# Altium PCB nRF52840-kit.PcbDoc (part 1 of 5) (continued)
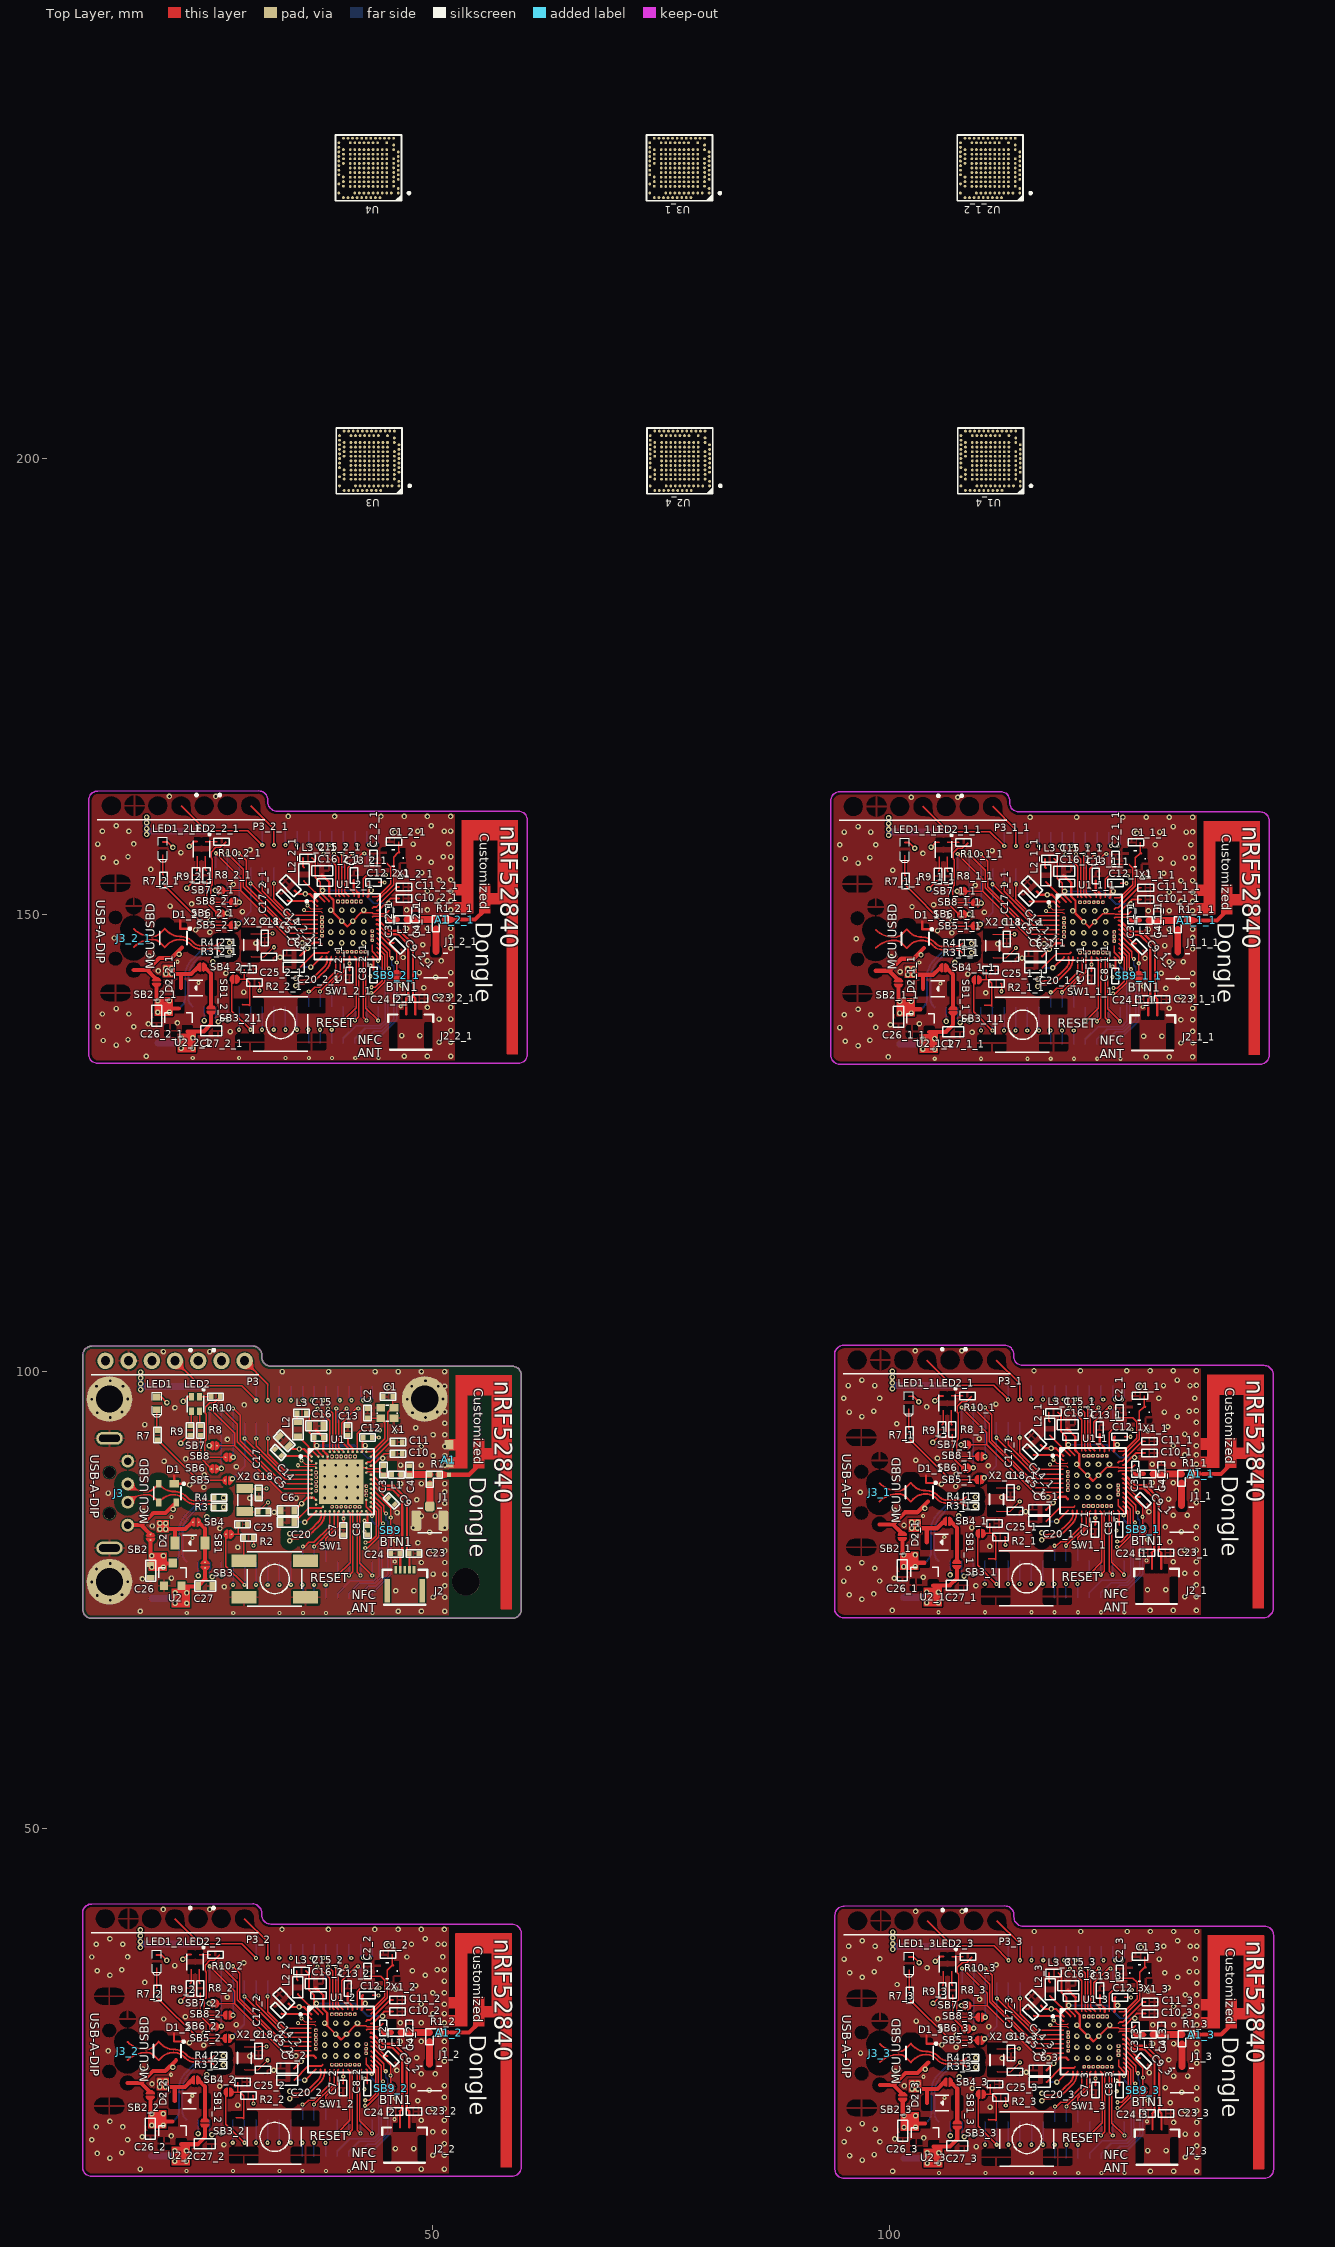
[diagram p0: Top Layer view]
## Components (designator, comment, footprint, x,y, rotation, side; value= is the part's Value field where it differs from the comment) (continued)
C12_2 "100nF" "0402 imperial"#2 42.831,31.764 r180 top (schematic designator C12)
C12_2_1 "100nF" "0402 imperial"#2 43.506,153.564 r180 top (schematic designator C12)
C12_3 "100nF" "0402 imperial"#2 125.166,31.539 r180 top (schematic designator C12)
C13 "N.C." "0402 imperial"#1 40.693,93.578 r270 top
C13_1 "N.C." "0402 imperial"#2 122.969,93.665 r270 top (schematic designator C13)
C13_1_1 "N.C." "0402 imperial"#2 122.544,154.24 r270 top (schematic designator C13)
C13_2 "N.C." "0402 imperial"#2 40.672,32.526 r270 top (schematic designator C13)
C13_2_1 "N.C." "0402 imperial"#2 41.347,154.326 r270 top (schematic designator C13)
C13_3 "N.C." "0402 imperial"#2 123.007,32.301 r270 top (schematic designator C13)
C14 "1µF" 0603_Imperial#1 33.708,92.435 r315 top
C14_1 "1µF" 0603_Imperial#2 115.984,92.522 r315 top (schematic designator C14)
C14_1_1 "1µF" 0603_Imperial#2 115.559,153.097 r315 top (schematic designator C14)
C14_2 "1µF" 0603_Imperial#2 33.687,31.383 r315 top (schematic designator C14)
C14_2_1 "1µF" 0603_Imperial#2 34.362,153.183 r315 top (schematic designator C14)
C14_3 "1µF" 0603_Imperial#2 116.022,31.158 r315 top (schematic designator C14)
C15 "1µF" 0603_Imperial#1 37.218,94.105 r180 top
C15_1 "1µF" 0603_Imperial#2 119.494,94.192 r180 top (schematic designator C15)
C15_1_1 "1µF" 0603_Imperial#2 119.069,154.767 r180 top (schematic designator C15)
C15_2 "1µF" 0603_Imperial#2 37.197,33.053 r180 top (schematic designator C15)
C15_2_1 "1µF" 0603_Imperial#2 37.872,154.853 r180 top (schematic designator C15)
C15_3 "1µF" 0603_Imperial#2 119.532,32.828 r180 top (schematic designator C15)
C16 "47nF" "0402 imperial"#1 37.518,92.816 r180 top
C16_1 "47nF" "0402 imperial"#2 119.794,92.903 r180 top (schematic designator C16)
C16_1_1 "47nF" "0402 imperial"#2 119.369,153.478 r180 top (schematic designator C16)
C16_2 "47nF" "0402 imperial"#2 37.497,31.764 r180 top (schematic designator C16)
C16_2_1 "47nF" "0402 imperial"#2 38.172,153.564 r180 top (schematic designator C16)
C16_3 "47nF" "0402 imperial"#2 119.832,31.539 r180 top (schematic designator C16)
C17 "12pF" "0402 imperial"#1 30.944,86.725 r90 top
C17_1 "12pF" "0402 imperial"#2 113.22,86.812 r90 top (schematic designator C17)
C17_1_1 "12pF" "0402 imperial"#2 112.795,147.387 r90 top (schematic designator C17)
C17_2 "12pF" "0402 imperial"#2 30.923,25.673 r90 top (schematic designator C17)
C17_2_1 "12pF" "0402 imperial"#2 31.598,147.473 r90 top (schematic designator C17)
C17_3 "12pF" "0402 imperial"#2 113.258,25.448 r90 top (schematic designator C17)
C18 "12pF" "0402 imperial"#1 31.402,84.668 r180 top
C18_1 "12pF" "0402 imperial"#2 113.678,84.755 r180 top (schematic designator C18)
C18_1_1 "12pF" "0402 imperial"#2 113.253,145.33 r180 top (schematic designator C18)
C18_2 "12pF" "0402 imperial"#2 31.381,23.616 r180 top (schematic designator C18)
C18_2_1 "12pF" "0402 imperial"#2 32.056,145.416 r180 top (schematic designator C18)
C18_3 "12pF" "0402 imperial"#2 113.716,23.391 r180 top (schematic designator C18)
C20 "4.7µF" 0603_Imperial#1 34.089,83.545 r0 top
C20_1 "4.7µF" 0603_Imperial#2 116.365,83.632 r0 top (schematic designator C20)
C20_1_1 "4.7µF" 0603_Imperial#2 115.94,144.207 r0 top (schematic designator C20)
C20_2 "4.7µF" 0603_Imperial#2 34.068,22.493 r0 top (schematic designator C20)
C20_2_1 "4.7µF" 0603_Imperial#2 34.743,144.293 r0 top (schematic designator C20)
C20_3 "4.7µF" 0603_Imperial#2 116.403,22.268 r0 top (schematic designator C20)
C21 "4.7µF" 0603_Imperial#1 34.394,83.545 r0 bottom
C21_1 "4.7µF" 0603_Imperial#2 116.67,83.632 r0 bottom (schematic designator C21)
C21_1_1 "4.7µF" 0603_Imperial#2 116.245,144.207 r0 bottom (schematic designator C21)
C21_2 "4.7µF" 0603_Imperial#2 34.373,22.493 r0 bottom (schematic designator C21)
C21_2_1 "4.7µF" 0603_Imperial#2 35.048,144.293 r0 bottom (schematic designator C21)
C21_3 "4.7µF" 0603_Imperial#3 116.708,22.268 r0 bottom (schematic designator C21)
C23 "300pF" "0402 imperial"#1 47.924,80.116 r0 top
C23_1 "300pF" "0402 imperial"#2 130.2,80.203 r0 top (schematic designator C23)
C23_1_1 "300pF" "0402 imperial"#2 129.775,140.778 r0 top (schematic designator C23)
C23_2 "300pF" "0402 imperial"#2 47.903,19.064 r0 top (schematic designator C23)
C23_2_1 "300pF" "0402 imperial"#2 48.578,140.864 r0 top (schematic designator C23)
C23_3 "300pF" "0402 imperial"#2 130.238,18.839 r0 top (schematic designator C23)
C24 "300pF" "0402 imperial"#1 45.892,80.116 r0 top
C24_1 "300pF" "0402 imperial"#2 128.168,80.203 r0 top (schematic designator C24)
C24_1_1 "300pF" "0402 imperial"#2 127.743,140.778 r0 top (schematic designator C24)
C24_2 "300pF" "0402 imperial"#2 45.871,19.064 r0 top (schematic designator C24)
C24_2_1 "300pF" "0402 imperial"#2 46.546,140.864 r0 top (schematic designator C24)
C24_3 "300pF" "0402 imperial"#2 128.206,18.839 r0 top (schematic designator C24)
C25 "100nF" "0402 imperial"#1 29.179,83.316 r180 top
C25_1 "100nF" "0402 imperial"#2 111.455,83.403 r180 top (schematic designator C25)
C25_1_1 "100nF" "0402 imperial"#2 111.03,143.978 r180 top (schematic designator C25)
C25_2 "100nF" "0402 imperial"#2 29.158,22.264 r180 top (schematic designator C25)
C25_2_1 "100nF" "0402 imperial"#2 29.833,144.064 r180 top (schematic designator C25)
C25_3 "100nF" "0402 imperial"#2 111.493,22.039 r180 top (schematic designator C25)
C26 "1µF" 0603_Imperial#1 19.095,78.211 r90 top
C26_1 "1µF" 0603_Imperial#2 101.371,78.298 r90 top (schematic designator C26)
C26_1_1 "1µF" 0603_Imperial#2 100.946,138.873 r90 top (schematic designator C26)
C26_2 "1µF" 0603_Imperial#2 19.074,17.159 r90 top (schematic designator C26)
C26_2_1 "1µF" 0603_Imperial#2 19.749,138.959 r90 top (schematic designator C26)
C26_3 "1µF" 0603_Imperial#2 101.409,16.934 r90 top (schematic designator C26)
C27 "1µF" 0603_Imperial#1 25.072,76.56 r180 top
C27_1 "1µF" 0603_Imperial#2 107.348,76.647 r180 top (schematic designator C27)
C27_1_1 "1µF" 0603_Imperial#2 106.923,137.222 r180 top (schematic designator C27)
C27_2 "1µF" 0603_Imperial#2 25.051,15.508 r180 top (schematic designator C27)
C27_2_1 "1µF" 0603_Imperial#2 25.726,137.308 r180 top (schematic designator C27)
C27_3 "1µF" 0603_Imperial#2 107.386,15.283 r180 top (schematic designator C27)
D1 "PRTR5V0U2X" SOT190P230X110-4L#1 20.939,86.729 r270 top
D1_1 "PRTR5V0U2X" SOT190P230X110-4L#2 103.215,86.816 r270 top (schematic designator D1)
D1_1_1 "PRTR5V0U2X" SOT190P230X110-4L#2 102.79,147.391 r270 top (schematic designator D1)
D1_2 "PRTR5V0U2X" SOT190P230X110-4L#2 20.918,25.677 r270 top (schematic designator D1)
D1_2_1 "PRTR5V0U2X" SOT190P230X110-4L#2 21.593,147.477 r270 top (schematic designator D1)
D1_3 "PRTR5V0U2X" SOT190P230X110-4L#2 103.253,25.452 r270 top (schematic designator D1)
D2 "DIODE S4" SOD-123#1 21.764,81.259 r0 top
D2_1 "DIODE S4" SOD-123#2 104.04,81.346 r0 top (schematic designator D2)
D2_1_1 "DIODE S4" SOD-123#2 103.615,141.921 r0 top (schematic designator D2)
D2_2 "DIODE S4" SOD-123#2 21.743,20.207 r0 top (schematic designator D2)
D2_2_1 "DIODE S4" SOD-123#2 22.418,142.007 r0 top (schematic designator D2)
D2_3 "DIODE S4" SOD-123#2 104.078,19.982 r0 top (schematic designator D2)
J1 "Ipex" HRS_U.FL-R-SMT#1 49.657,83.736 r180 top
J1_1 "Ipex" HRS_U.FL-R-SMT#2 131.933,83.823 r180 top (schematic designator J1)
J1_1_1 "Ipex" HRS_U.FL-R-SMT#2 131.508,144.398 r180 top (schematic designator J1)
J1_2 "Ipex" HRS_U.FL-R-SMT#2 49.636,22.684 r180 top (schematic designator J1)
J1_2_1 "Ipex" HRS_U.FL-R-SMT#2 50.311,144.484 r180 top (schematic designator J1)
J1_3 "Ipex" HRS_U.FL-R-SMT#2 131.971,22.459 r180 top (schematic designator J1)
J2 "FPC 0.5mm RA SMD" FPC_05P-0.5mm-RA-SMD#1 46.921,74.602 r0 top
J2_1 "FPC 0.5mm RA SMD" FPC_05P-0.5mm-RA-SMD#2 129.197,74.689 r0 top (schematic designator J2)
J2_1_1 "FPC 0.5mm RA SMD" FPC_05P-0.5mm-RA-SMD#2 128.772,135.264 r0 top (schematic designator J2)
J2_2 "FPC 0.5mm RA SMD" FPC_05P-0.5mm-RA-SMD#2 46.9,13.55 r0 top (schematic designator J2)
J2_2_1 "FPC 0.5mm RA SMD" FPC_05P-0.5mm-RA-SMD#2 47.575,135.35 r0 top (schematic designator J2)
J2_3 "FPC 0.5mm RA SMD" FPC_05P-0.5mm-RA-SMD#2 129.235,13.325 r0 top (schematic designator J2)
J3 "USB-A-Male" USB-A-DIP#1 16.6,86.72 r270 top locked
J3_1 "USB-A-Male" USB-A-DIP#2 98.876,86.807 r270 top (schematic designator J3)
J3_2 "USB-A-Male" USB-A-DIP#2 16.579,25.668 r270 top (schematic designator J3)
J3_2_1 "USB-A-Male" USB-A-DIP#2 17.254,147.468 r270 top (schematic designator J3)
J3_3 "USB-A-Male" USB-A-DIP#2 98.914,25.443 r270 top (schematic designator J3)
L1 "3.9nH" "0402 imperial"#1 46,88.74 r0 top
L1_1 "3.9nH" "0402 imperial"#2 128.276,88.827 r0 top (schematic designator L1)
L1_1_1 "3.9nH" "0402 imperial"#2 127.851,149.402 r0 top (schematic designator L1)
L1_2 "3.9nH" "0402 imperial"#2 45.979,27.688 r0 top (schematic designator L1)
L1_2_1 "3.9nH" "0402 imperial"#2 46.654,149.488 r0 top (schematic designator L1)
L1_3 "3.9nH" "0402 imperial"#2 128.314,27.463 r0 top (schematic designator L1)
L2 "10µH" 0603_Imperial#1 35.232,93.705 r90 top
L2_1 "10µH" 0603_Imperial#2 117.508,93.792 r90 top (schematic designator L2)
L2_1_1 "10µH" 0603_Imperial#2 117.083,154.367 r90 top (schematic designator L2)
L2_2 "10µH" 0603_Imperial#2 35.211,32.653 r90 top (schematic designator L2)
L2_2_1 "10µH" 0603_Imperial#2 35.886,154.453 r90 top (schematic designator L2)
L2_3 "10µH" 0603_Imperial#2 117.546,32.428 r90 top (schematic designator L2)
L3 "15nH" "0402 imperial"#1 35.621,95.483 r0 top
L3_1 "15nH" "0402 imperial"#2 117.897,95.57 r0 top (schematic designator L3)
L3_1_1 "15nH" "0402 imperial"#2 117.472,156.145 r0 top (schematic designator L3)
L3_2 "15nH" "0402 imperial"#2 35.6,34.431 r0 top (schematic designator L3)
L3_2_1 "15nH" "0402 imperial"#2 36.275,156.231 r0 top (schematic designator L3)
L3_3 "15nH" "0402 imperial"#2 117.935,34.206 r0 top (schematic designator L3)
LED1 "Green" LED_0603#1 19.786,95.848 r90 top
LED1_1 "Green" LED_0603#2 102.062,95.935 r90 top (schematic designator LED1)
LED1_1_1 "Green" LED_0603#2 101.637,156.51 r90 top (schematic designator LED1)
LED1_2 "Green" LED_0603#2 19.765,34.796 r90 top (schematic designator LED1)
LED1_2_1 "Green" LED_0603#2 20.44,156.596 r90 top (schematic designator LED1)
LED1_3 "Green" LED_0603#2 102.1,34.571 r90 top (schematic designator LED1)
LED2 "RGB" LED_0603_RGB#1 24.004,96.483 r270 top
LED2_1 "RGB" LED_0603_RGB#2 106.28,96.57 r270 top (schematic designator LED2)
LED2_1_1 "RGB" LED_0603_RGB#2 105.855,157.145 r270 top (schematic designator LED2)
LED2_2 "RGB" LED_0603_RGB#2 23.983,35.431 r270 top (schematic designator LED2)
LED2_2_1 "RGB" LED_0603_RGB#2 24.658,157.231 r270 top (schematic designator LED2)
LED2_3 "RGB" LED_0603_RGB#2 106.318,35.206 r270 top (schematic designator LED2)
P1 "*" CONN1.27MM2x20_FM_SMD#1 18.6,77.211 r0 bottom
P1_1 "*" CONN1.27MM2x20_FM_SMD#2 100.876,77.298 r0 bottom (schematic designator P1)
P1_1_1 "*" CONN1.27MM2x20_FM_SMD#2 100.451,137.873 r0 bottom (schematic designator P1)
P1_2 "*" CONN1.27MM2x20_FM_SMD#2 18.579,16.159 r0 bottom (schematic designator P1)
P1_2_1 "*" CONN1.27MM2x20_FM_SMD#2 19.254,137.959 r0 bottom (schematic designator P1)
P1_3 "*" CONN1.27MM2x20_FM_SMD#3 100.914,15.934 r0 bottom (schematic designator P1)
P2 "*" CONN1.27MM2x20_FM_SMD#1 18.6,96.409 r0 bottom
P2_1 "*" CONN1.27MM2x20_FM_SMD#2 100.876,96.496 r0 bottom (schematic designator P2)
P2_1_1 "*" CONN1.27MM2x20_FM_SMD#2 100.451,157.071 r0 bottom (schematic designator P2)
P2_2 "*" CONN1.27MM2x20_FM_SMD#2 18.579,35.357 r0 bottom (schematic designator P2)
P2_2_1 "*" CONN1.27MM2x20_FM_SMD#2 19.254,157.157 r0 bottom (schematic designator P2)
P2_3 "*" CONN1.27MM2x20_FM_SMD#3 100.914,35.132 r0 bottom (schematic designator P2)
P3 "7p, 2.54mm" CONN2.54MM7P#1 14.155,101.203 r0 top
P3_1 "7p, 2.54mm" CONN2.54MM7P#2 96.431,101.29 r0 top (schematic designator P3)
P3_1_1 "7p, 2.54mm" CONN2.54MM7P#2 96.006,161.865 r0 top (schematic designator P3)
P3_2 "7p, 2.54mm" CONN2.54MM7P#2 14.134,40.151 r0 top (schematic designator P3)
P3_2_1 "7p, 2.54mm" CONN2.54MM7P#2 14.809,161.951 r0 top (schematic designator P3)
P3_3 "7p, 2.54mm" CONN2.54MM7P#2 96.469,39.926 r0 top (schematic designator P3)
R1 "Res Selector" RES_SELECTOR_0402#1 49.657,88.74 r0 top value=0R
R1_1 "Res Selector" RES_SELECTOR_0402#2 131.933,88.827 r0 top value=0R (schematic designator R1)
R1_1_1 "Res Selector" RES_SELECTOR_0402#2 131.508,149.402 r0 top value=0R (schematic designator R1)
R1_2 "Res Selector" RES_SELECTOR_0402#2 49.636,27.688 r0 top value=0R (schematic designator R1)
R1_2_1 "Res Selector" RES_SELECTOR_0402#2 50.311,149.488 r0 top value=0R (schematic designator R1)
R1_3 "Res Selector" RES_SELECTOR_0402#2 131.971,27.463 r0 top value=0R (schematic designator R1)
R2 "100K" "0402 imperial"#1 29.814,81.843 r0 top
R2_1 "100K" "0402 imperial"#2 112.09,81.93 r0 top (schematic designator R2)
R2_1_1 "100K" "0402 imperial"#2 111.665,142.505 r0 top (schematic designator R2)
R2_2 "100K" "0402 imperial"#2 29.793,20.791 r0 top (schematic designator R2)
R2_2_1 "100K" "0402 imperial"#2 30.468,142.591 r0 top (schematic designator R2)
R2_3 "100K" "0402 imperial"#2 112.128,20.566 r0 top (schematic designator R2)
R3 "0R" "0402 imperial"#1 26.588,85.196 r0 top
R3_1 "0R" "0402 imperial"#2 108.864,85.283 r0 top (schematic designator R3)
R3_1_1 "0R" "0402 imperial"#2 108.439,145.858 r0 top (schematic designator R3)
R3_2 "0R" "0402 imperial"#2 26.567,24.144 r0 top (schematic designator R3)
R3_2_1 "0R" "0402 imperial"#2 27.242,145.944 r0 top (schematic designator R3)
R3_3 "0R" "0402 imperial"#2 108.902,23.919 r0 top (schematic designator R3)
R4 "0R" "0402 imperial"#1 26.588,86.212 r0 top
R4_1 "0R" "0402 imperial"#2 108.864,86.299 r0 top (schematic designator R4)
R4_1_1 "0R" "0402 imperial"#2 108.439,146.874 r0 top (schematic designator R4)
R4_2 "0R" "0402 imperial"#2 26.567,25.16 r0 top (schematic designator R4)
R4_2_1 "0R" "0402 imperial"#2 27.242,146.96 r0 top (schematic designator R4)
R4_3 "0R" "0402 imperial"#2 108.902,24.935 r0 top (schematic designator R4)
R5 "0R" "0402 imperial"#1 26.588,85.196 r0 bottom
R5_1 "0R" "0402 imperial"#2 108.864,85.283 r0 bottom (schematic designator R5)
R5_1_1 "0R" "0402 imperial"#2 108.439,145.858 r0 bottom (schematic designator R5)
R5_2 "0R" "0402 imperial"#2 26.567,24.144 r0 bottom (schematic designator R5)
R5_2_1 "0R" "0402 imperial"#2 27.242,145.944 r0 bottom (schematic designator R5)
R5_3 "0R" "0402 imperial"#3 108.902,23.919 r0 bottom (schematic designator R5)
R6 "0R" "0402 imperial"#1 26.588,86.212 r0 bottom
R6_1 "0R" "0402 imperial"#2 108.864,86.299 r0 bottom (schematic designator R6)
R6_1_1 "0R" "0402 imperial"#2 108.439,146.874 r0 bottom (schematic designator R6)
R6_2 "0R" "0402 imperial"#2 26.567,25.16 r0 bottom (schematic designator R6)
R6_2_1 "0R" "0402 imperial"#2 27.242,146.96 r0 bottom (schematic designator R6)
R6_3 "0R" "0402 imperial"#3 108.902,24.935 r0 bottom (schematic designator R6)
R7 "10K" "0402 imperial"#1 19.87,93.075 r90 top
R7_1 "10K" "0402 imperial"#2 102.146,93.162 r90 top (schematic designator R7)
R7_1_1 "10K" "0402 imperial"#2 101.721,153.737 r90 top (schematic designator R7)
R7_2 "10K" "0402 imperial"#2 19.849,32.023 r90 top (schematic designator R7)
R7_2_1 "10K" "0402 imperial"#2 20.524,153.823 r90 top (schematic designator R7)
R7_3 "10K" "0402 imperial"#2 102.184,31.798 r90 top (schematic designator R7)
R8 "xx" "0402 imperial"#1 24.564,93.578 r90 top
R8_1 "xx" "0402 imperial"#2 106.84,93.665 r90 top (schematic designator R8)
R8_1_1 "xx" "0402 imperial"#2 106.415,154.24 r90 top (schematic designator R8)
R8_2 "xx" "0402 imperial"#2 24.543,32.526 r90 top (schematic designator R8)
R8_2_1 "xx" "0402 imperial"#2 25.218,154.326 r90 top (schematic designator R8)
R8_3 "xx" "0402 imperial"#2 106.878,32.301 r90 top (schematic designator R8)
R9 "xx" "0402 imperial"#1 23.421,93.578 r90 top
R9_1 "xx" "0402 imperial"#2 105.697,93.665 r90 top (schematic designator R9)
R9_1_1 "xx" "0402 imperial"#2 105.272,154.24 r90 top (schematic designator R9)
R9_2 "xx" "0402 imperial"#2 23.4,32.526 r90 top (schematic designator R9)
R9_2_1 "xx" "0402 imperial"#2 24.075,154.326 r90 top (schematic designator R9)
R9_3 "xx" "0402 imperial"#2 105.735,32.301 r90 top (schematic designator R9)
R10 "xx" "0402 imperial"#1 26.215,97.261 r180 top
R10_1 "xx" "0402 imperial"#2 108.491,97.348 r180 top (schematic designator R10)
R10_1_1 "xx" "0402 imperial"#2 108.066,157.923 r180 top (schematic designator R10)
R10_2 "xx" "0402 imperial"#2 26.194,36.209 r180 top (schematic designator R10)
R10_2_1 "xx" "0402 imperial"#2 26.869,158.009 r180 top (schematic designator R10)
R10_3 "xx" "0402 imperial"#2 108.529,35.984 r180 top (schematic designator R10)
SB1 "Solderbridge" Solderbridge#1 27.655,82.224 r0 top
SB1_1 "Solderbridge" Solderbridge#2 109.931,82.311 r0 top (schematic designator SB1)
SB1_1_1 "Solderbridge" Solderbridge#2 109.506,142.886 r0 top (schematic designator SB1)
SB1_2 "Solderbridge" Solderbridge#2 27.634,21.172 r0 top (schematic designator SB1)
SB1_2_1 "Solderbridge" Solderbridge#2 28.309,142.972 r0 top (schematic designator SB1)
SB1_3 "Solderbridge" Solderbridge#2 109.969,20.947 r0 top (schematic designator SB1)
SB2 "Solderbridge" Solderbridge#1 19.095,81.894 r270 top
SB2_1 "Solderbridge" Solderbridge#2 101.371,81.981 r270 top (schematic designator SB2)
SB2_1_1 "Solderbridge" Solderbridge#2 100.946,142.556 r270 top (schematic designator SB2)
SB2_2 "Solderbridge" Solderbridge#2 19.074,20.842 r270 top (schematic designator SB2)
SB2_2_1 "Solderbridge" Solderbridge#2 19.749,142.642 r270 top (schematic designator SB2)
SB2_3 "Solderbridge" Solderbridge#2 101.409,20.617 r270 top (schematic designator SB2)
SB3 "Solderbridge" Solderbridge#3 25.064,78.846 r270 top
SB3_1 "Solderbridge" Solderbridge#4 107.34,78.933 r270 top (schematic designator SB3)
SB3_1_1 "Solderbridge" Solderbridge#4 106.915,139.508 r270 top (schematic designator SB3)
SB3_2 "Solderbridge" Solderbridge#4 25.043,17.794 r270 top (schematic designator SB3)
SB3_2_1 "Solderbridge" Solderbridge#4 25.718,139.594 r270 top (schematic designator SB3)
SB3_3 "Solderbridge" Solderbridge#4 107.378,17.569 r270 top (schematic designator SB3)
SB4 "Solderbridge" Solderbridge#5 24.048,83.545 r0 top
SB4_1 "Solderbridge" Solderbridge#6 106.324,83.632 r0 top (schematic designator SB4)
SB4_1_1 "Solderbridge" Solderbridge#6 105.899,144.207 r0 top (schematic designator SB4)
SB4_2 "Solderbridge" Solderbridge#6 24.027,22.493 r0 top (schematic designator SB4)
SB4_2_1 "Solderbridge" Solderbridge#6 24.702,144.293 r0 top (schematic designator SB4)
SB4_3 "Solderbridge" Solderbridge#6 106.362,22.268 r0 top (schematic designator SB4)
SB5 "Solderbridge" Solderbridge#3 27.534,88.107 r0 top
SB5_1 "Solderbridge" Solderbridge#4 109.81,88.194 r0 top (schematic designator SB5)
SB5_1_1 "Solderbridge" Solderbridge#4 109.385,148.769 r0 top (schematic designator SB5)
SB5_2 "Solderbridge" Solderbridge#4 27.513,27.055 r0 top (schematic designator SB5)
SB5_2_1 "Solderbridge" Solderbridge#4 28.188,148.855 r0 top (schematic designator SB5)
SB5_3 "Solderbridge" Solderbridge#4 109.848,26.83 r0 top (schematic designator SB5)
SB6 "Solderbridge" Solderbridge#5 26.069,89.377 r0 top
SB6_1 "Solderbridge" Solderbridge#6 108.345,89.464 r0 top (schematic designator SB6)
SB6_1_1 "Solderbridge" Solderbridge#6 107.92,150.039 r0 top (schematic designator SB6)
SB6_2 "Solderbridge" Solderbridge#6 26.048,28.325 r0 top (schematic designator SB6)
SB6_2_1 "Solderbridge" Solderbridge#6 26.723,150.125 r0 top (schematic designator SB6)
SB6_3 "Solderbridge" Solderbridge#6 108.383,28.1 r0 top (schematic designator SB6)
SB7 "Solderbridge" Solderbridge#1 26.069,91.917 r0 top
SB7_1 "Solderbridge" Solderbridge#2 108.345,92.004 r0 top (schematic designator SB7)
SB7_1_1 "Solderbridge" Solderbridge#2 107.92,152.579 r0 top (schematic designator SB7)
SB7_2 "Solderbridge" Solderbridge#2 26.048,30.865 r0 top (schematic designator SB7)
SB7_2_1 "Solderbridge" Solderbridge#2 26.723,152.665 r0 top (schematic designator SB7)
SB7_3 "Solderbridge" Solderbridge#2 108.383,30.64 r0 top (schematic designator SB7)
SB8 "Solderbridge" Solderbridge#1 27.593,90.647 r0 top
SB8_1 "Solderbridge" Solderbridge#2 109.869,90.734 r0 top (schematic designator SB8)
SB8_1_1 "Solderbridge" Solderbridge#2 109.444,151.309 r0 top (schematic designator SB8)
SB8_2 "Solderbridge" Solderbridge#2 27.572,29.595 r0 top (schematic designator SB8)
SB8_2_1 "Solderbridge" Solderbridge#2 28.247,151.395 r0 top (schematic designator SB8)
SB8_3 "Solderbridge" Solderbridge#2 109.907,29.37 r0 top (schematic designator SB8)
SB9 "Solderbridge" Solderbridge#1 45.384,82.656 r270 top
SB9_1 "Solderbridge" Solderbridge#2 127.66,82.743 r270 top (schematic designator SB9)
SB9_1_1 "Solderbridge" Solderbridge#2 127.235,143.318 r270 top (schematic designator SB9)
SB9_2 "Solderbridge" Solderbridge#2 45.363,21.604 r270 top (schematic designator SB9)
SB9_2_1 "Solderbridge" Solderbridge#2 46.038,143.404 r270 top (schematic designator SB9)
SB9_3 "Solderbridge" Solderbridge#2 127.698,21.379 r270 top (schematic designator SB9)
SW1 "PB SW" Switch-PB-6.2x6.3mm-SMD#1 32.692,77.322 r180 top
SW1_1 "PB SW" Switch-PB-6.2x6.3mm-SMD#2 114.968,77.409 r180 top (schematic designator SW1)
SW1_1_1 "PB SW" Switch-PB-6.2x6.3mm-SMD#2 114.543,137.984 r180 top (schematic designator SW1)
SW1_2 "PB SW" Switch-PB-6.2x6.3mm-SMD#2 32.671,16.27 r180 top (schematic designator SW1)
SW1_2_1 "PB SW" Switch-PB-6.2x6.3mm-SMD#2 33.346,138.07 r180 top (schematic designator SW1)
SW1_3 "PB SW" Switch-PB-6.2x6.3mm-SMD#2 115.006,16.045 r180 top (schematic designator SW1)
U1 "nRF52840-QIAA" AQFN50P700X700X85_HS-74N#1 39.961,87.978 r0 top locked
U1_1 "nRF52840-QIAA" AQFN50P700X700X85_HS-74N#2 122.237,88.065 r0 top (schematic designator U1)
U1_1_1 "nRF52840-QIAA" AQFN50P700X700X85_HS-74N#2 121.812,148.64 r0 top (schematic designator U1)
U1_2 "nRF52840-QIAA" AQFN50P700X700X85_HS-74N#2 39.94,26.926 r0 top (schematic designator U1)
U1_2_1 "nRF52840-QIAA" AQFN50P700X700X85_HS-74N#2 40.615,148.726 r0 top (schematic designator U1)
U1_3 "nRF52840-QIAA" AQFN50P700X700X85_HS-74N#2 122.275,26.701 r0 top (schematic designator U1)
U1_4 "nRF52840-QIAA" AQFN50P700X700X85_HS-74N#3 111.025,199.7 r180 top (schematic designator U1)
U2 "XC6206P332MR" SOT-23#1 21.521,77.835 r0 top
U2_1 "XC6206P332MR" SOT-23#2 103.797,77.922 r0 top (schematic designator U2)
U2_1_1 "XC6206P332MR" SOT-23#2 103.372,138.497 r0 top (schematic designator U2)
U2_1_2 "nRF52840-QIAA" AQFN50P700X700X85_HS-74N#3 110.975,231.75 r180 top (schematic designator U1)
U2_2 "XC6206P332MR" SOT-23#2 21.5,16.783 r0 top (schematic designator U2)
U2_2_1 "XC6206P332MR" SOT-23#2 22.175,138.583 r0 top (schematic designator U2)
U2_3 "XC6206P332MR" SOT-23#2 103.835,16.558 r0 top (schematic designator U2)
U2_4 "nRF52840-QIAA" AQFN50P700X700X85_HS-74N#3 77.025,199.7 r180 top (schematic designator U1)
U3 "nRF52840-QIAA" AQFN50P700X700X85_HS-74N#3 43.025,199.7 r180 top (schematic designator U1)
U3_1 "nRF52840-QIAA" AQFN50P700X700X85_HS-74N#3 76.975,231.75 r180 top (schematic designator U1)
U4 "nRF52840-QIAA" AQFN50P700X700X85_HS-74N#3 42.95,231.75 r180 top (schematic designator U1)
X1 "32MHz" XTAL_2016#1 45.011,95.483 r180 top
X1_1 "32MHz" XTAL_2016#2 127.287,95.57 r180 top (schematic designator X1)
X1_1_1 "32MHz" XTAL_2016#2 126.862,156.145 r180 top (schematic designator X1)
X1_2 "32MHz" XTAL_2016#2 44.99,34.431 r180 top (schematic designator X1)
X1_2_1 "32MHz" XTAL_2016#2 45.665,156.231 r180 top (schematic designator X1)
X1_3 "32MHz" XTAL_2016#2 127.325,34.206 r180 top (schematic designator X1)
X2 "32.768kHz" XTAL_3215#1 29.395,85.963 r90 top
X2_1 "32.768kHz" XTAL_3215#2 111.671,86.05 r90 top (schematic designator X2)
X2_1_1 "32.768kHz" XTAL_3215#2 111.246,146.625 r90 top (schematic designator X2)
X2_2 "32.768kHz" XTAL_3215#2 29.374,24.911 r90 top (schematic designator X2)
X2_2_1 "32.768kHz" XTAL_3215#2 30.049,146.711 r90 top (schematic designator X2)
X2_3 "32.768kHz" XTAL_3215#2 111.709,24.686 r90 top (schematic designator X2)

## Footprints (in the part's own frame and the unit in brackets; to place one, negate y for a bottom-side part, rotate by r counter-clockwise, add the part's x,y. Pads: shape width x height; smd on the part's side, far side on the other; paste and mask are expansions set on the pad)
"0402 imperial"#1 [mm] "R, L, C"
  rect 0.5x0.6 smd: 1(-0.5,0) 2(0.5,0)
  silkscreen extent -0.85,-0.4 0.85,0.4, body extent -0.51,-0.25 0.51,0.25, height 0.5
"0402 imperial"#2 [mm] "R, L, C"
  silkscreen extent -0.85,-0.4 0.85,0.4, body extent -0.51,-0.25 0.51,0.25, height 0.5
"0402 imperial"#3 [mm] "R, L, C"
  rect 0.5x0.6 on Top Paste: 1(-0.5,0) 2(0.5,0)
  silkscreen extent -0.85,-0.4 0.85,0.4, body extent -0.51,-0.25 0.51,0.25, height 0.5
0603_Imperial#1 [mm]
  rect 0.6x0.9 smd: 1(-0.75,0) 2(0.75,0)
  silkscreen extent -1.15,-0.55 1.15,0.55, body extent -0.8,-0.43 0.8,0.43, height 0.8
0603_Imperial#2 [mm]
  silkscreen extent -1.15,-0.55 1.15,0.55, body extent -0.8,-0.43 0.8,0.43, height 0.8
0603_Imperial#3 [mm]
  rect 0.6x0.9 on Top Paste: 1(-0.75,0) 2(0.75,0)
  silkscreen extent -1.15,-0.55 1.15,0.55, body extent -0.8,-0.43 0.8,0.43, height 0.8
AQFN50P700X700X85_HS-74N#1 [mm]
  rect 4.85x4.85 smd mask+0.03: 74(0,0)
  round 0.275 smd paste+0.012 mask+0.05: A8(-1.25,3.25) A10(-0.75,3.25) A12(-0.25,3.25) A14(0.25,3.25) A16(0.75,3.25) A18(1.25,3.25) A20(1.75,3.25) A22(2.25,3.25) A23(2.75,3.25) AA24(3.25,-2.25) AB2(-2.75,-2.5) AC5(-2,-2.75) AC9(-1,-2.75) AC11(-0.5,-2.75) AC13(0,-2.75) AC15(0.5,-2.75) AC17(1,-2.75) AC19(1.5,-2.75) AC21(2,-2.75) AC24(3.25,-2.75) AD2(-2.75,-3.25) AD4(-2.25,-3.25) AD6(-1.75,-3.25) AD8(-1.25,-3.25) AD10(-0.75,-3.25) AD12(-0.25,-3.25) AD14(0.25,-3.25) AD16(0.75,-3.25) AD18(1.25,-3.25) AD20(1.75,-3.25) AD22(2.25,-3.25) AD23(2.75,-3.25) B1(-3.25,2.75) B3(-2.5,2.75) B5(-2,2.75) B7(-1.5,2.75) B9(-1,2.75) B11(-0.5,2.75) B13(0,2.75) B15(0.5,2.75) B17(1,2.75) B19(1.5,2.75) B24(3.25,2.75) C1(-3.25,2.25) D2(-2.75,2) D23(2.75,2) E24(3.25,1.75) F2(-2.75,1.5) F23(2.75,1.5) G1(-3.25,1.25) H2(-2.75,1) H23(2.75,1) J1(-3.25,0.75) J24(3.25,0.75) K2(-2.75,0.5) L1(-3.25,0.25) L24(3.25,0.25) M2(-2.75,0) N1(-3.25,-0.25) N24(3.25,-0.25) P2(-2.75,-0.5) P23(2.75,-0.5) R1(-3.25,-0.75) R24(3.25,-0.75) T2(-2.75,-1) T23(2.75,-1) U1(-3.25,-1.25) U24(3.25,-1.25) V23(2.75,-1.5) W1(-3.25,-1.75) W24(3.25,-1.75) Y2(-2.75,-2) Y23(2.75,-2)
  silkscreen extent -4.55,-3.6 3.6,3.6, body extent -3.55,-3.55 3.55,3.55, height 0.85
AQFN50P700X700X85_HS-74N#2 [mm]
  silkscreen extent -4.55,-3.6 3.6,3.6, body extent -3.55,-3.55 3.55,3.55, height 0.85
AQFN50P700X700X85_HS-74N#3 [mm]
  rect 4.85x4.85 smd far side mask+0.03: 74(0,0)
  round 0.31 smd paste+0.012 mask+0.05: A8(-1.25,3.25) A10(-0.75,3.25) A12(-0.25,3.25) A14(0.25,3.25) A16(0.75,3.25) A18(1.25,3.25) A20(1.75,3.25) A22(2.25,3.25) A23(2.75,3.25) AA24(3.25,-2.25) AB2(-2.75,-2.5) AC5(-2,-2.75) AC9(-1,-2.75) AC11(-0.5,-2.75) AC13(0,-2.75) AC15(0.5,-2.75) AC17(1,-2.75) AC19(1.5,-2.75) AC21(2,-2.75) AC24(3.25,-2.75) AD2(-2.75,-3.25) AD4(-2.25,-3.25) AD6(-1.75,-3.25) AD8(-1.25,-3.25) AD10(-0.75,-3.25) AD12(-0.25,-3.25) AD14(0.25,-3.25) AD16(0.75,-3.25) AD18(1.25,-3.25) AD20(1.75,-3.25) AD22(2.25,-3.25) AD23(2.75,-3.25) B1(-3.25,2.75) B3(-2.5,2.75) B5(-2,2.75) B7(-1.5,2.75) B9(-1,2.75) B11(-0.5,2.75) B13(0,2.75) B15(0.5,2.75) B17(1,2.75) B19(1.5,2.75) B24(3.25,2.75) C1(-3.25,2.25) D2(-2.75,2) D23(2.75,2) E24(3.25,1.75) F2(-2.75,1.5) F23(2.75,1.5) G1(-3.25,1.25) H2(-2.75,1) H23(2.75,1) J1(-3.25,0.75) J24(3.25,0.75) K2(-2.75,0.5) L1(-3.25,0.25) L24(3.25,0.25) M2(-2.75,0) N1(-3.25,-0.25) N24(3.25,-0.25) P2(-2.75,-0.5) P23(2.75,-0.5) R1(-3.25,-0.75) R24(3.25,-0.75) T2(-2.75,-1) T23(2.75,-1) U1(-3.25,-1.25) U24(3.25,-1.25) V23(2.75,-1.5) W1(-3.25,-1.75) W24(3.25,-1.75) Y2(-2.75,-2) Y23(2.75,-2)
  silkscreen extent -4.55,-3.6 3.6,3.6, body extent -3.55,-3.55 3.55,3.55, height 0.85
CONN1.27MM2x20_FM_SMD#1 [mm]
  rect 0.76x2 smd: 1(0.635,-2) 2(0.635,2) 3(1.905,-2) 4(1.905,2) 5(3.175,-2) 6(3.175,2) 7(4.445,-2) 8(4.445,2) 9(5.715,-2) 10(5.715,2) 11(6.985,-2) 12(6.985,2) 13(8.255,-2) 14(8.255,2) 15(9.525,-2) 16(9.525,2) 17(10.795,-2) 18(10.795,2) 19(12.065,-2) 20(12.065,2) 21(13.335,-2) 22(13.335,2) 23(14.605,-2) 24(14.605,2) 25(15.875,-2) 26(15.875,2) 27(17.145,-2) 28(17.145,2) 29(18.415,-2) 30(18.415,2) 31(19.685,-2) 32(19.685,2) 33(20.955,-2) 34(20.955,2) 35(22.225,-2) 36(22.225,2) 37(23.495,-2) 38(23.495,2) 39(24.765,-2) 40(24.765,2)
  silkscreen extent -0.64,-1.5 26.04,1.5, body extent -0.61,-1.49 26.04,1.5, height 4.3
CONN1.27MM2x20_FM_SMD#2 [mm]
  silkscreen extent -0.64,-1.5 26.04,1.5, body extent -0.61,-1.49 26.04,1.5, height 4.3
CONN1.27MM2x20_FM_SMD#3 [mm]
  rect 0.76x2 on Top Paste: 1(0.635,-2) 2(0.635,2) 3(1.905,-2) 4(1.905,2) 5(3.175,-2) 6(3.175,2) 7(4.445,-2) 8(4.445,2) 9(5.715,-2) 10(5.715,2) 11(6.985,-2) 12(6.985,2) 13(8.255,-2) 14(8.255,2) 15(9.525,-2) 16(9.525,2) 17(10.795,-2) 18(10.795,2) 19(12.065,-2) 20(12.065,2) 21(13.335,-2) 22(13.335,2) 23(14.605,-2) 24(14.605,2) 25(15.875,-2) 26(15.875,2) 27(17.145,-2) 28(17.145,2) 29(18.415,-2) 30(18.415,2) 31(19.685,-2) 32(19.685,2) 33(20.955,-2) 34(20.955,2) 35(22.225,-2) 36(22.225,2) 37(23.495,-2) 38(23.495,2) 39(24.765,-2) 40(24.765,2)
  silkscreen extent -0.64,-1.5 26.04,1.5, body extent -0.61,-1.49 26.04,1.5, height 4.3
CONN2.54MM7P#1 [mm]
  round 1.8 hole 1: 1(0,0) 2(2.54,0) 3(5.08,0) 4(7.62,0) 5(10.16,0) 6(12.7,0) 7(15.24,0)
  silkscreen extent -1.52,-1.52 16.76,-1.52
CONN2.54MM7P#2 [mm]
  silkscreen extent -1.52,-1.52 16.76,-1.52
FPC_05P-0.5mm-RA-SMD#1 [mm]
  rect 0.6x2.6 smd: 0(-1.9,1.45) 0(1.9,1.45)
  rect 0.3x0.8 smd: 1(-1,3.75) 2(-0.5,3.75) 3(0,3.75) 4(0.5,3.75) 5(1,3.75)
  silkscreen extent -2.45,-0.1 2.45,3.75, body extent -2.3,-0.1 2.3,3.95, height 1.2
FPC_05P-0.5mm-RA-SMD#2 [mm]
  silkscreen extent -2.45,-0.1 2.45,3.75, body extent -2.3,-0.1 2.3,3.95, height 1.2
HRS_U.FL-R-SMT#1 [mm]
  rrect50% 1.1x2.25 smd: 1(-1.475,0.013) 2(1.475,0.013)
  rrect50% 1.05x1.1 smd: 3(0,-1.537)
  silkscreen extent -1.3,-1.34 1.3,1.36, body extent -1.5,-1.59 1.5,1.51, height 1.25
HRS_U.FL-R-SMT#2 [mm]
  silkscreen extent -1.3,-1.34 1.3,1.36, body extent -1.5,-1.59 1.5,1.51, height 1.25
IFA_ANTENNA#1 [mm]
  rect 0.46x0.46 smd paste-0.46: 1(0,0)
  rect 1x1 smd paste-1: 2(-3.275,0) 2(-1.285,0)
  Top Layer region: 14.67,6.91 -10.81,6.91 -10.829,6.906 -10.845,6.895 -10.856,6.879 -10.86,6.86 -10.86,6.86 -10.86,0.79 -10.856,0.771 -10.845,0.754 -10.829,0.744 -10.81,0.74 -10.81,0.74 -3.88,0.74 -3.88,0 -2.67,0 -2.67,0.74 -1.89,0.74 -1.89,0 -0.68,0 -0.68,1.98 -0.684,1.999 -0.695,2.016 -0.711,2.026 -0.73,2.03 -0.73,2.03 -8.68,2.03 -8.68,4.7 -2.88,4.7 -2.88,3.9 -3.83,3.9 -3.849,3.896 -3.866,3.886 -3.877,3.869 -3.88,3.85 -3.88,3.85 -3.88,2.74 -3.873,2.715 -3.855,2.697 -3.83,2.69 -3.83,2.69 -0.68,2.69 -0.68,3.85 -0.684,3.869 -0.695,3.886 -0.711,3.896 -0.73,3.9 -0.73,3.9 -1.68,3.9 -1.68,5.7 14.67,5.7 14.689,5.704 14.705,5.715 14.716,5.731 14.72,5.75 14.72,5.75 14.72,6.785 14.72,6.86 14.713,6.885 14.695,6.903 14.67,6.91
  Top Layer lines w0.46: 0,0.23 0,2.22 -1.07,3.29 -1.07,3.32
IFA_ANTENNA#2 [mm]
  Top Layer region: 14.67,6.91 -10.81,6.91 -10.829,6.906 -10.845,6.895 -10.856,6.879 -10.86,6.86 -10.86,6.86 -10.86,0.79 -10.856,0.771 -10.845,0.754 -10.829,0.744 -10.81,0.74 -10.81,0.74 -3.88,0.74 -3.88,0 -2.67,0 -2.67,0.74 -1.89,0.74 -1.89,0 -0.68,0 -0.68,1.98 -0.684,1.999 -0.695,2.016 -0.711,2.026 -0.73,2.03 -0.73,2.03 -8.68,2.03 -8.68,4.7 -2.88,4.7 -2.88,3.9 -3.83,3.9 -3.849,3.896 -3.866,3.886 -3.877,3.869 -3.88,3.85 -3.88,3.85 -3.88,2.74 -3.873,2.715 -3.855,2.697 -3.83,2.69 -3.83,2.69 -0.68,2.69 -0.68,3.85 -0.684,3.869 -0.695,3.886 -0.711,3.896 -0.73,3.9 -0.73,3.9 -1.68,3.9 -1.68,5.7 14.67,5.7 14.689,5.704 14.705,5.715 14.716,5.731 14.72,5.75 14.72,5.75 14.72,6.785 14.72,6.86 14.713,6.885 14.695,6.903 14.67,6.91
  Top Layer lines w0.46: 0,0.23 0,2.22 -1.07,3.29 -1.07,3.32
LED_0603#1 [mil]
  rect 30x32 smd: 1(0,0) 2(55,0)
  silkscreen extent -30,-20 75,20, body extent -4,-16 60,16, height 24
LED_0603#2 [mil]
  silkscreen extent -30,-20 75,20, body extent -4,-16 60,16, height 24
LED_0603_RGB#1 [mm]
  rect 0.8x0.55 smd: 1(-0.8,0.45) 2(-0.8,-0.45) 3(0.8,-0.45) 4(0.8,0.45)
  silkscreen extent -1.7,-0.9 0.9,1, body extent -0.8,-0.75 0.8,0.75, height 0.34
LED_0603_RGB#2 [mm]
  silkscreen extent -1.7,-0.9 0.9,1, body extent -0.8,-0.75 0.8,0.75, height 0.34
RES_SELECTOR_0402#1 [mm] "R"
  rect 0.6x0.6 smd: 1(0,0)
  rect 0.5x0.6 smd: 2(1,0)
  rect 0.6x0.5 smd: 3(0,-1)
  silkscreen extent -0.4,-1.35 1.35,0.4, body extent -0.01,-0.25 1.01,0.25, height 1.01
RES_SELECTOR_0402#2 [mm] "R"
  silkscreen extent -0.4,-1.35 1.35,0.4, body extent -0.01,-0.25 1.01,0.25, height 1.01
SOD-123#1 [mm]
  rect 1x1.4 smd: 1(0,0) 2(3.3,0)
  silkscreen extent 0.87,-0.85 2.37,0.85, body extent -0.2,-0.8 3.5,0.8, height 1.27
SOD-123#2 [mm]
  silkscreen extent 0.87,-0.85 2.37,0.85, body extent -0.2,-0.8 3.5,0.8, height 1.27
Solderbridge#1 [mm]
  round 0.2 smd paste-10: 1(-0.312,0) 2(0.312,0)
  Top Layer region: 0.077,0.432 0.152,0.505 0.271,0.467 0.335,0.424 0.409,0.351 0.462,0.292 0.521,0.193 0.549,0.099 0.544,-0.122 0.518,-0.193 0.434,-0.33 0.351,-0.411 0.259,-0.469 0.157,-0.5 0.107,-0.483 0.077,-0.43
  Top Layer region: -0.077,-0.432 -0.152,-0.505 -0.271,-0.467 -0.335,-0.424 -0.409,-0.351 -0.462,-0.292 -0.521,-0.193 -0.549,-0.099 -0.544,0.122 -0.518,0.193 -0.434,0.33 -0.351,0.411 -0.259,0.469 -0.157,0.5 -0.107,0.483 -0.077,0.43
  Top Layer lines w0.152: -0.153,-0.431 cw(c-0.042,0) -0.312,-0.353 cw(c-0.042,0) -0.487,0 cw(c-0.042,0) -0.153,0.431 ; 0.153,-0.431 ccw(c0.042,0) 0.153,0.431
Solderbridge#2 [mm]
  Top Layer region: 0.077,0.432 0.152,0.505 0.271,0.467 0.335,0.424 0.409,0.351 0.462,0.292 0.521,0.193 0.549,0.099 0.544,-0.122 0.518,-0.193 0.434,-0.33 0.351,-0.411 0.259,-0.469 0.157,-0.5 0.107,-0.483 0.077,-0.43
  Top Layer region: -0.077,-0.432 -0.152,-0.505 -0.271,-0.467 -0.335,-0.424 -0.409,-0.351 -0.462,-0.292 -0.521,-0.193 -0.549,-0.099 -0.544,0.122 -0.518,0.193 -0.434,0.33 -0.351,0.411 -0.259,0.469 -0.157,0.5 -0.107,0.483 -0.077,0.43
  Top Layer lines w0.152: -0.153,-0.431 cw(c-0.042,0) -0.312,-0.353 cw(c-0.042,0) -0.487,0 cw(c-0.042,0) -0.153,0.431 ; 0.153,-0.431 ccw(c0.042,0) 0.153,0.431
Solderbridge#3 [mm]
  round 0.2 smd paste-10: 1(-0.312,0) 2(0.312,0)
  Top Layer region: 0.077,0.432 0.152,0.505 0.271,0.467 0.335,0.424 0.409,0.351 0.462,0.292 0.521,0.193 0.549,0.099 0.544,-0.122 0.518,-0.193 0.434,-0.33 0.351,-0.411 0.259,-0.469 0.157,-0.5 0.107,-0.483 0.077,-0.43
  Top Layer region: -0.077,-0.432 -0.152,-0.505 -0.271,-0.467 -0.335,-0.424 -0.409,-0.351 -0.462,-0.292 -0.521,-0.193 -0.549,-0.099 -0.544,0.122 -0.518,0.193 -0.434,0.33 -0.351,0.411 -0.259,0.469 -0.157,0.5 -0.107,0.483 -0.077,0.43
  Top Layer lines w0.152: 0.153,-0.431 ccw(c0.042,0) 0.153,0.431 ; -0.153,-0.431 cw(c-0.042,0) -0.487,0 cw(c-0.042,0) -0.153,0.431
Solderbridge#4 [mm]
  Top Layer region: 0.077,0.432 0.152,0.505 0.271,0.467 0.335,0.424 0.409,0.351 0.462,0.292 0.521,0.193 0.549,0.099 0.544,-0.122 0.518,-0.193 0.434,-0.33 0.351,-0.411 0.259,-0.469 0.157,-0.5 0.107,-0.483 0.077,-0.43
  Top Layer region: -0.077,-0.432 -0.152,-0.505 -0.271,-0.467 -0.335,-0.424 -0.409,-0.351 -0.462,-0.292 -0.521,-0.193 -0.549,-0.099 -0.544,0.122 -0.518,0.193 -0.434,0.33 -0.351,0.411 -0.259,0.469 -0.157,0.5 -0.107,0.483 -0.077,0.43
  Top Layer lines w0.152: 0.153,-0.431 ccw(c0.042,0) 0.153,0.431 ; -0.153,-0.431 cw(c-0.042,0) -0.487,0 cw(c-0.042,0) -0.153,0.431
Solderbridge#5 [mm]
  round 0.2 smd paste-10: 1(-0.312,0) 2(0.312,0)
  Top Layer region: 0.077,0.432 0.152,0.505 0.271,0.467 0.335,0.424 0.409,0.351 0.462,0.292 0.521,0.193 0.549,0.099 0.544,-0.122 0.518,-0.193 0.434,-0.33 0.351,-0.411 0.259,-0.469 0.157,-0.5 0.107,-0.483 0.077,-0.43
  Top Layer region: -0.077,-0.432 -0.152,-0.505 -0.271,-0.467 -0.335,-0.424 -0.409,-0.351 -0.462,-0.292 -0.521,-0.193 -0.549,-0.099 -0.544,0.122 -0.518,0.193 -0.434,0.33 -0.351,0.411 -0.259,0.469 -0.157,0.5 -0.107,0.483 -0.077,0.43
  Top Layer lines w0.152: -0.153,-0.431 cw(c-0.042,0) -0.461,-0.149 cw(c-0.042,0) -0.481,-0.075 cw(c-0.042,0) -0.487,0 cw(c-0.042,0) -0.153,0.431 ; 0.153,-0.431 ccw(c0.042,0) 0.461,-0.149 ccw(c0.042,0) 0.153,0.431
Solderbridge#6 [mm]
  Top Layer region: 0.077,0.432 0.152,0.505 0.271,0.467 0.335,0.424 0.409,0.351 0.462,0.292 0.521,0.193 0.549,0.099 0.544,-0.122 0.518,-0.193 0.434,-0.33 0.351,-0.411 0.259,-0.469 0.157,-0.5 0.107,-0.483 0.077,-0.43
  Top Layer region: -0.077,-0.432 -0.152,-0.505 -0.271,-0.467 -0.335,-0.424 -0.409,-0.351 -0.462,-0.292 -0.521,-0.193 -0.549,-0.099 -0.544,0.122 -0.518,0.193 -0.434,0.33 -0.351,0.411 -0.259,0.469 -0.157,0.5 -0.107,0.483 -0.077,0.43
  Top Layer lines w0.152: -0.153,-0.431 cw(c-0.042,0) -0.461,-0.149 cw(c-0.042,0) -0.481,-0.075 cw(c-0.042,0) -0.487,0 cw(c-0.042,0) -0.153,0.431 ; 0.153,-0.431 ccw(c0.042,0) 0.461,-0.149 ccw(c0.042,0) 0.153,0.431
SOT190P230X110-4L#1 [mm]
  rect 0.85x1 smd: 1(-1.025,0.75)
  rect 0.85x0.6 smd: 2(-1.025,-0.95) 3(1.025,-0.95) 4(1.025,0.95)
  silkscreen extent -1.15,-1.5 0.7,1.93, body extent -1.21,-1.46 1.21,1.46, height 1
SOT190P230X110-4L#2 [mm]
  silkscreen extent -1.15,-1.5 0.7,1.93, body extent -1.21,-1.46 1.21,1.46, height 1
SOT-23#1 [mm] "1-G 2-S 3-D"
  rect 0.9x0.95 smd: 1(-0.95,-1.25) 2(0.95,-1.25) 3(0,1.25)
  silkscreen extent -1.51,-0.38 1.5,0.69, body extent -1.52,-1.23 1.48,1.27, height 1.06